# Altium PCB PCB1.PcbDoc
Units mil, origin at the board's own origin, x right, y up, seen from the top; angles counter-clockwise.
Board outline 3937.01 x 3937.01 mil, 2 copper layers (Top Layer, Bottom Layer); 50 components, 47 nets, 201 pads, 11 vias.
Unrouted connection lines stored in the file: 42.
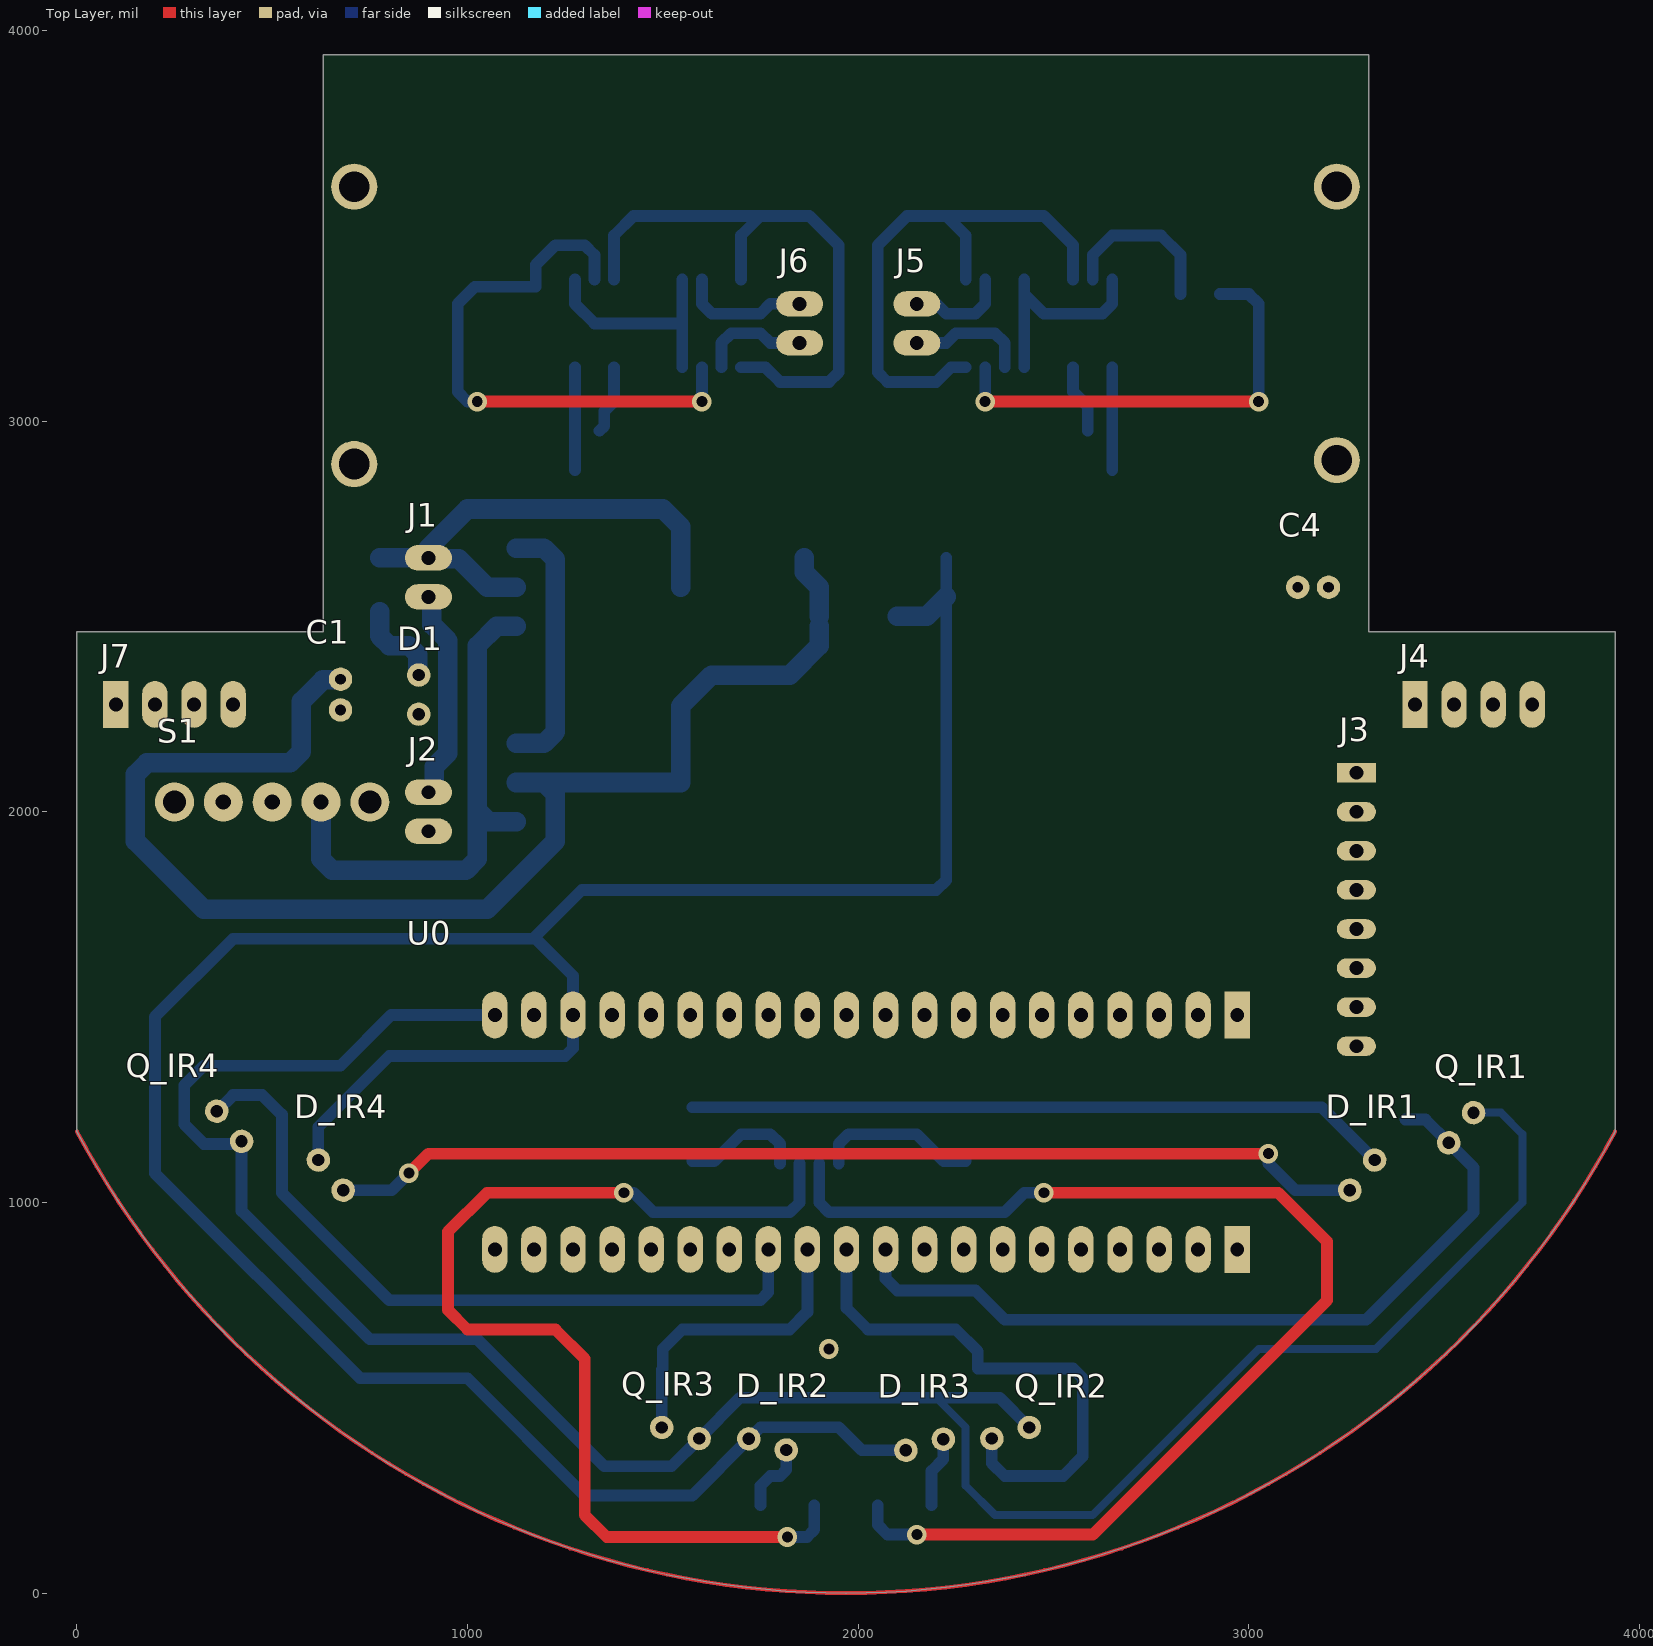
[diagram p0: Top Layer view]
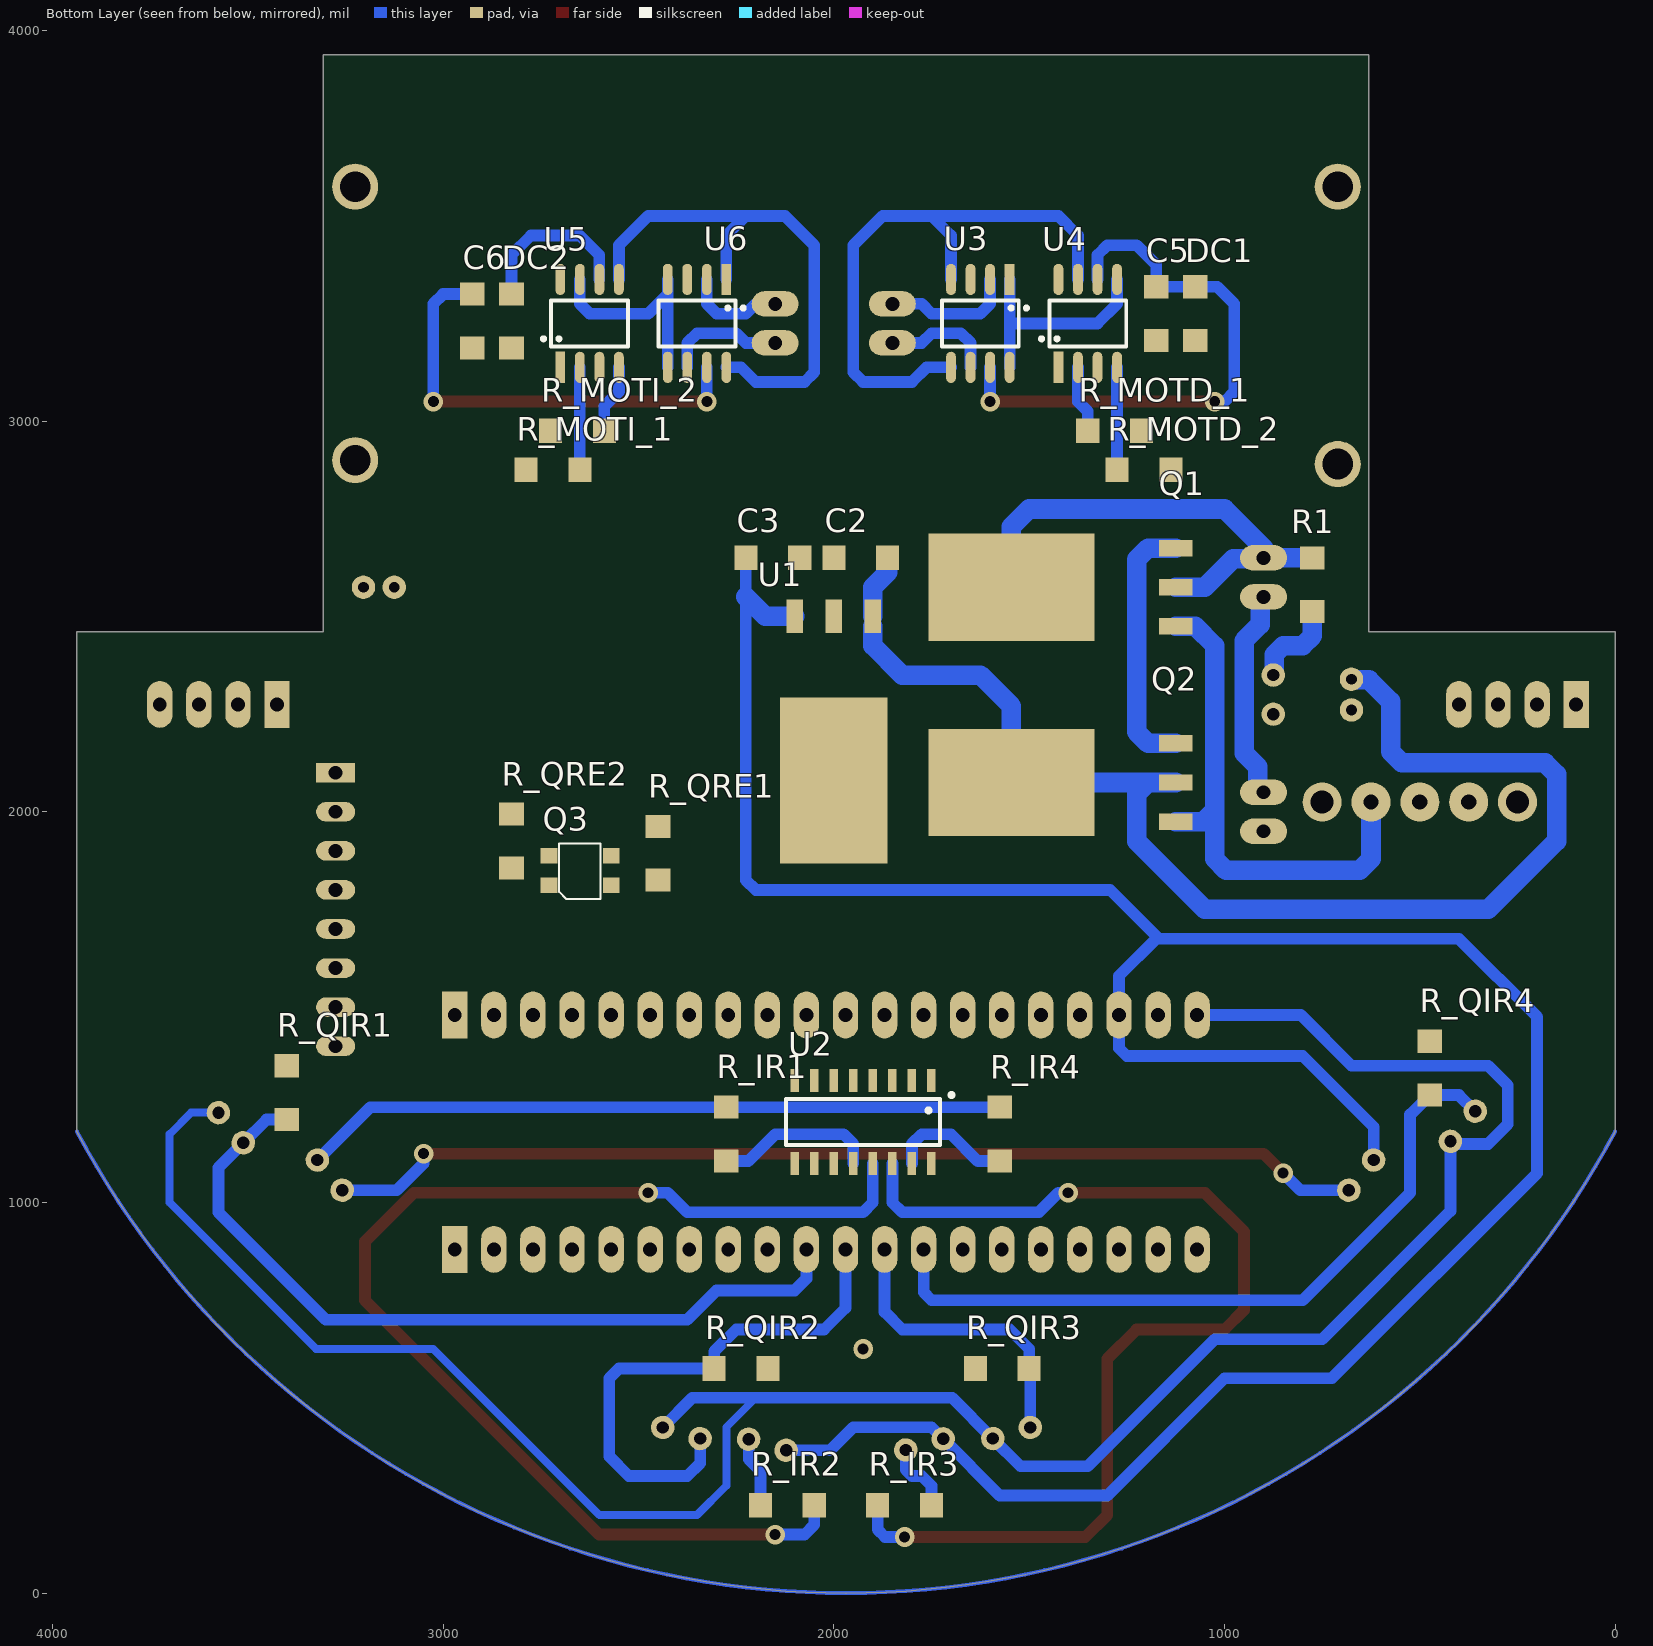
[diagram p1: Bottom Layer view, seen from below]
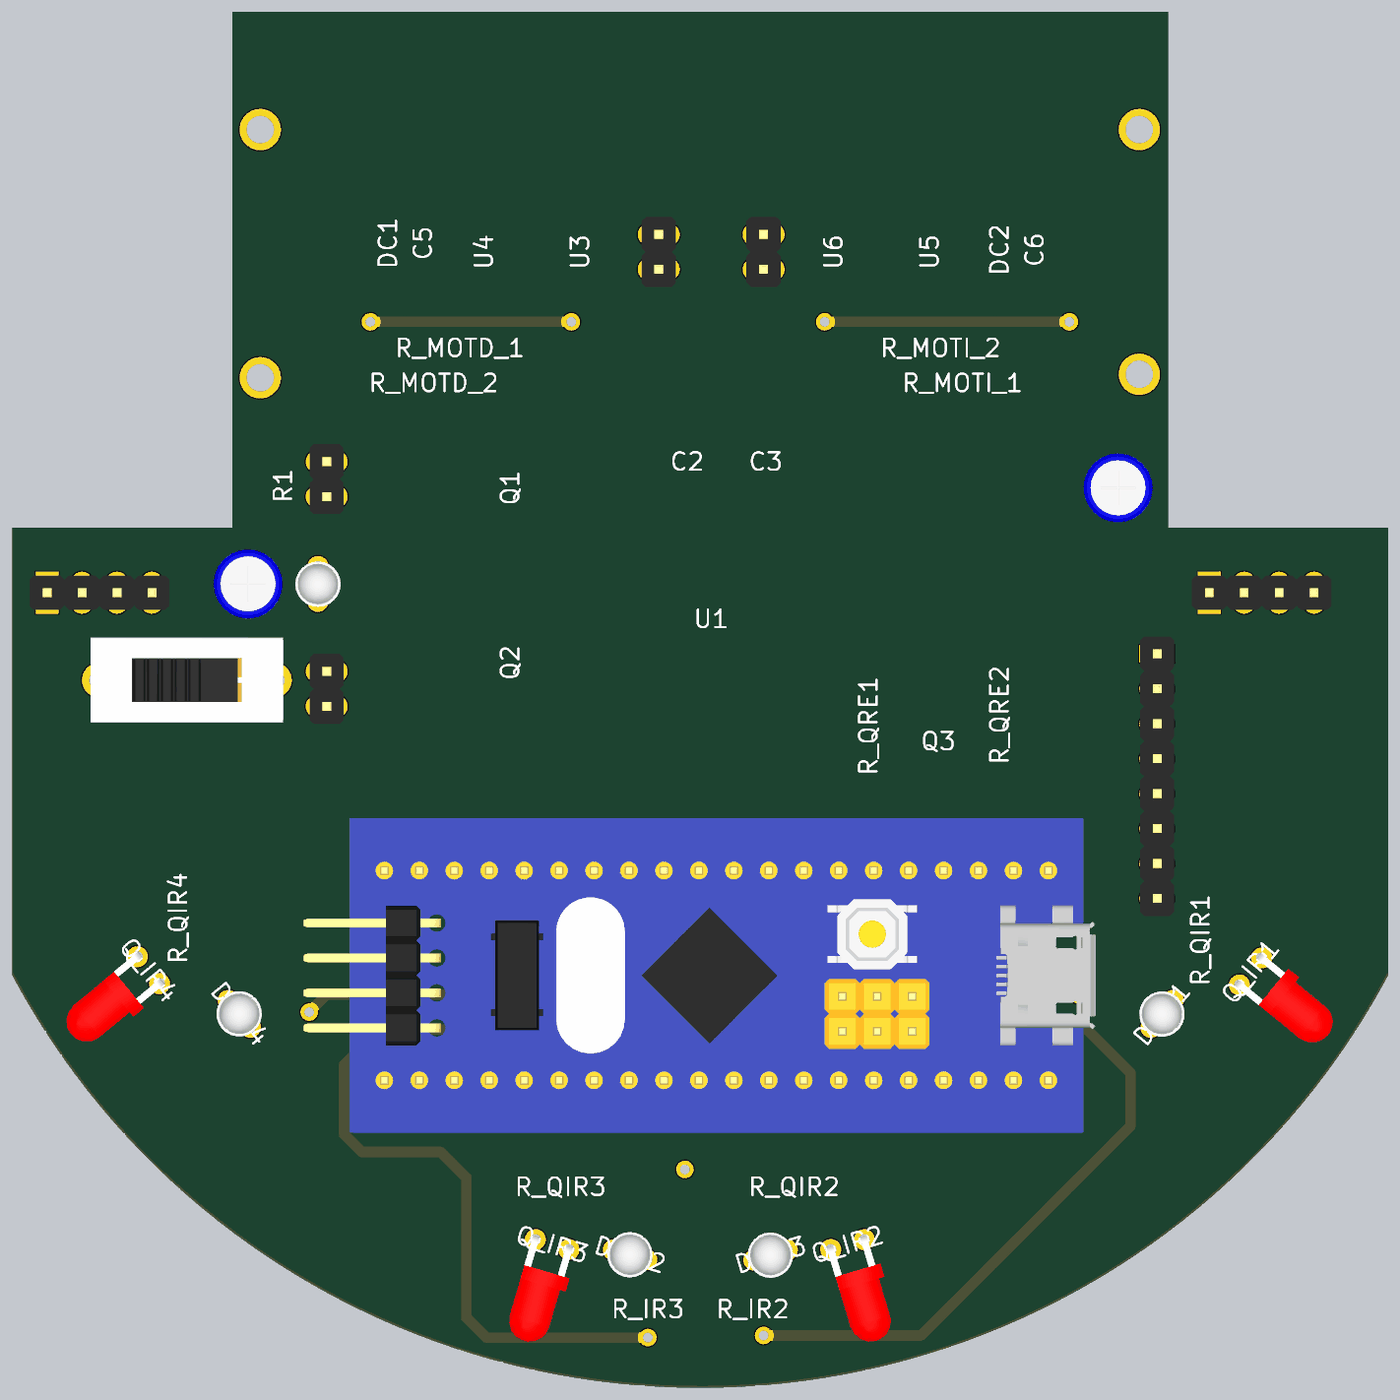
[diagram p2: 3D render of the assembled board from above, using the file's embedded part models]
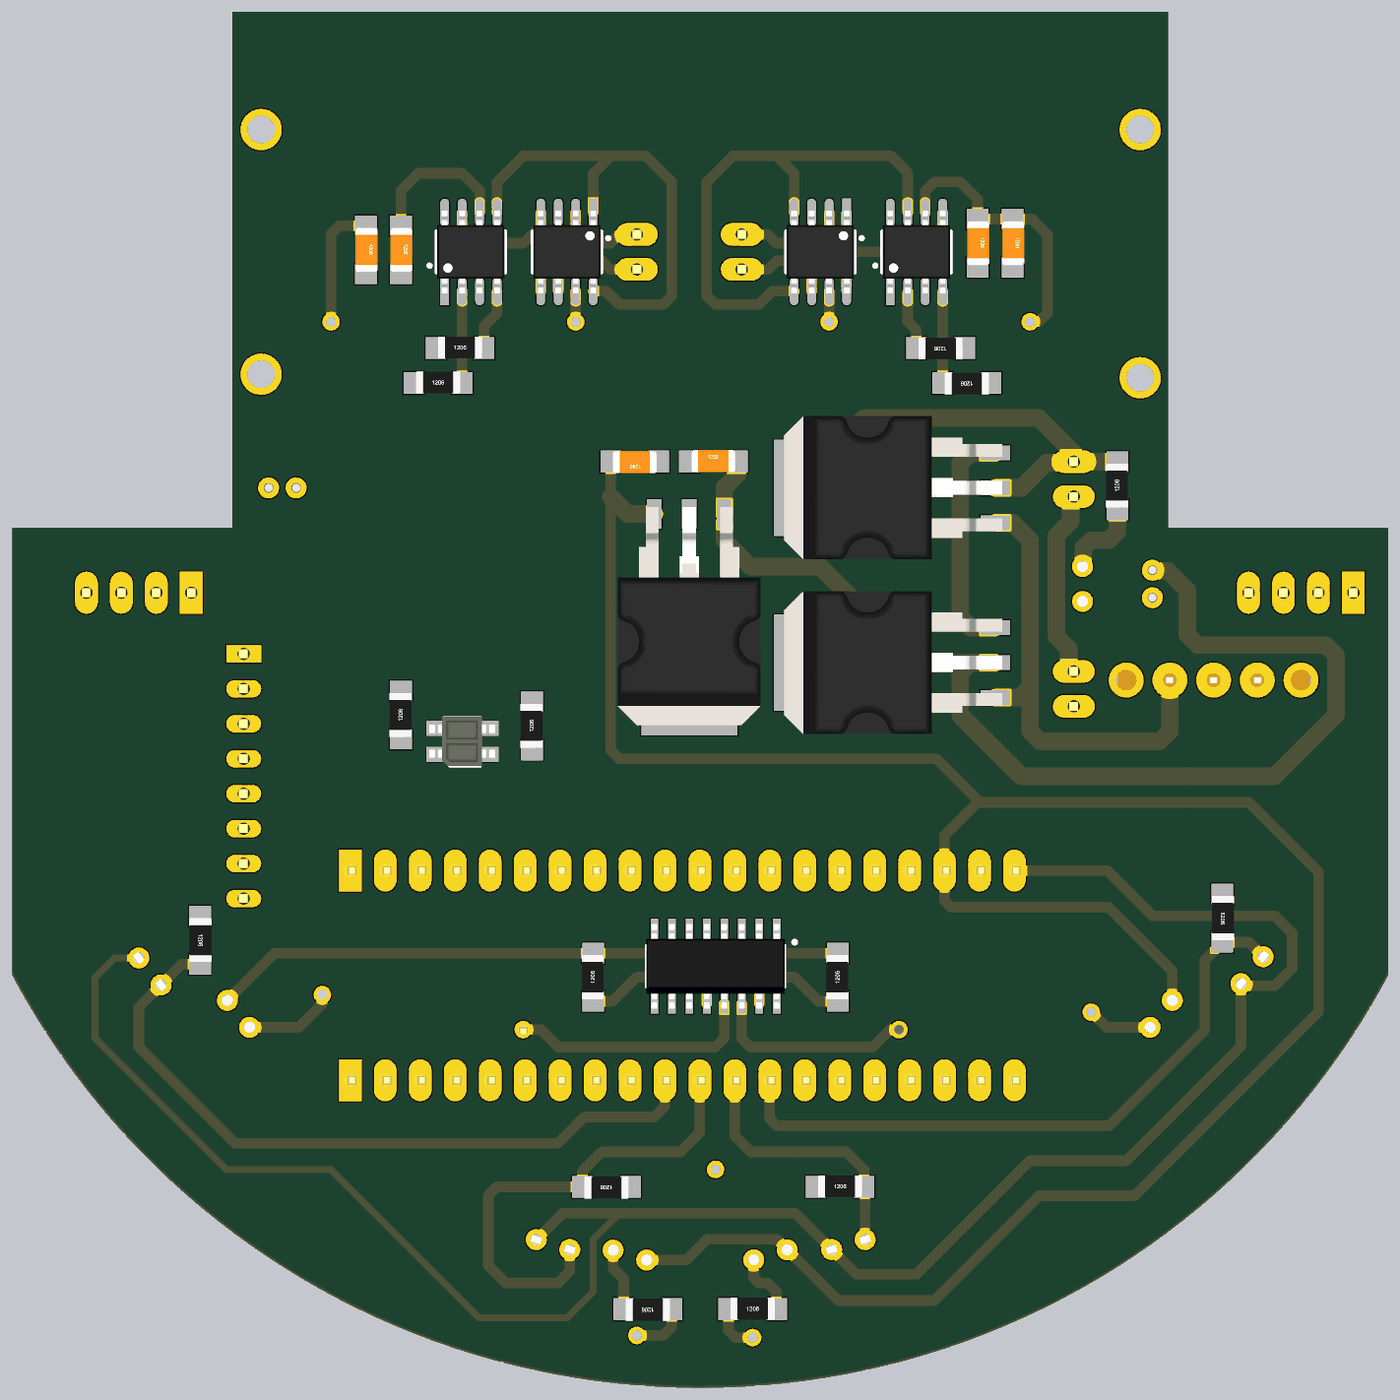
[diagram p3: 3D render of the assembled board from below, using the file's embedded part models]

## Layer stack, top to bottom
Top Solder: solder mask 0.4, Solder Resist, Dk 3.5
Top Layer: signal copper 1.4
Dielectric 1: dielectric 12.6, FR-4, Dk 4.8
Bottom Layer: signal copper 1.4
Bottom Solder: solder mask 0.4, Solder Resist, Dk 3.5

## Board outline
0.25,1181.35 0.25,2460.88 630.17,2460.88 630.17,3937.26 3307.34,3937.26 3307.34,2460.88 3937.26,2460.88 3937.26,1181.35 cw(c1968.75,2231.22)

## Design rules (kind name [scope] priority, off if disabled: settings)
Clearance [All] p1: gap=8
ComponentClearance [All] p1 off: gap=10 collisioncheckmode=3 verticalgap=10 showdistances=FALSE
HoleSize [All] p1: absolutevalues=TRUE maxlimit=196.85 minlimit=1 maxpercent=80.000 minpercent=20.000
PlaneConnect [All] p1: planeconnectstyle=Direct reliefexpansion=20 reliefentries=4 reliefconductorwidth=10 reliefairgap=10
PolygonConnect [All] p1: connectstyle=Direct reliefconductorwidth=15 reliefentries=4 polygonreliefangle="90 Angle" airgapwidth=10
RoutingVias [All] p1: holewidth=28 width=50 viastyle="Through Hole" minholewidth=28 minwidth=50 maxholewidth=28 maxwidth=50
SolderMaskExpansion [All] p1: expansion=4
Width [All] p1: maxlimit=50 minlimit=8 preferedwidth=10
27 further rules are at their usual default settings.

## Components (designator, comment, footprint, x,y, rotation, side; value= is the part's Value field where it differs from the comment)
C1 "CAP-ELEC" CAP-ELEC-5x11x2mm 675,2300 r270 top
C2 "CAP-CER" C1206 1931.1,2650 r180 bottom
C3 "CAP-CER" C1206 2156.1,2650 r0 bottom
C4 "CAP-ELEC" CAP-ELEC-5x11x2mm 3164.37,2575 r0 top
C5 "CAP-CER" C1206 1175,3275 r270 bottom
C6 "CAP-CER" C1206 2925,3256.1 r270 bottom
D1 "RED" LED-3MM-RED 875,2300 r90 top
D_IR1 "LED" LED-3MM-RED 3290,1070 r50.5 top
D_IR2 "LED" LED-3MM-RED 1767.94,380.8 r343.5 top
D_IR3 "LED" LED-3MM-RED 2170,380 r16.5 top
D_IR4 "LED" LED-3MM-RED 650,1070 r309.5 top
DC1 "CAP-CER" C1206 1075,3275 r270 bottom
DC2 "CAP-CER" C1206 2825,3256.1 r270 bottom
J1 "BAT" "HEADER 1x2" 900,2600 r0 top
J2 "BAT" "HEADER 1x2" 900,2000 r0 top
J3 "MPU" "HEADER 1X8" 3275,2100 r0 top
J4 "HC-05" "Header 1x4" 3575,2275 r90 top
J5 "MOTI" "HEADER 1x2" 2150,3250 r0 top
J6 "MOTD" "HEADER 1x2" 1850,3250 r0 top
J7 "programer" "Header 1x4" 250,2275 r90 top
Q1 "IRF5305S" TO-263 1425,2575 r90 bottom
Q2 "IRF5305S" TO-263 1425,2075 r90 bottom
Q3 "QRE1113GR" QRE1113GR 2650,1850 r180 bottom
Q_IR1 "PHOTO NPN" PHOTO-NPN 3543.2,1191.41 r230.5 top
Q_IR2 "PHOTO NPN" PHOTO-NPN 2390,410 r196.5 top
Q_IR3 "PHOTO NPN" PHOTO-NPN 1545,410 r163.5 top
Q_IR4 "PHOTO NPN" PHOTO-NPN 390,1195 r129.5 top
R1 "RES" R1206 775,2581.1 r90 bottom
R_IR1 "RES" R1206 2275,1175 r90 bottom
R_IR2 "RES" R1206 2118.9,225 r0 bottom
R_IR3 "RES" R1206 1818.9,225 r180 bottom
R_IR4 "RES" R1206 1575,1175 r90 bottom
R_MOTD_1 "RES" R1206 1281.1,2975 r0 bottom
R_MOTD_2 "RES" R1206 1206.1,2875 r0 bottom
R_MOTI_1 "RES" R1206 2718.9,2875 r180 bottom
R_MOTI_2 "RES" R1206 2656.1,2975 r180 bottom
R_QIR1 "RES" R1206 3400,1281.1 r270 bottom
R_QIR2 "RES" R1206 2237.2,575 r0 bottom
R_QIR3 "RES" R1206 1568.9,575 r180 bottom
R_QIR4 "RES" R1206 475,1343.9 r270 bottom
R_QRE1 "RES" R1206 2450,1893.9 r90 bottom
R_QRE2 "RES" R1206 2825,1925 r90 bottom
S1 "SLIDE-SWITCH" SWITCH 500,2025 r180 top
U0 "Blue Pill -stm32f103" STM32_MODULE 1970,1180 r270 top
U1 "MIC2940" TO-263 2000,2200 r0 bottom
U2 "ULN2003A" SOIC-16-NARROW 1925,1206.3 r270 bottom
U3 "ZXMHC3F381N8" SOIC-8 1625,3250 r270 bottom
U4 "MIC4427" SOIC-8 1350,3250 r90 bottom
U5 "MIC4427" SOIC-8 2625,3250 r90 bottom
U6 "ZXMHC3F381N8" SOIC-8 2350,3250 r270 bottom

## Footprints (in the part's own frame and the unit in brackets; to place one, negate y for a bottom-side part, rotate by r counter-clockwise, add the part's x,y. Pads: shape width x height; smd on the part's side, far side on the other; paste and mask are expansions set on the pad)
C1206 [mm]
  rect 1.5x1.6 smd: 1(-1.75,0) 2(1.75,0)
  body extent -1.6,-0.76 1.6,0.84, height 1.26
CAP-ELEC-5x11x2mm [mil]
  round 60 hole 27.56: 1(-39.37,0) 2(39.37,0)
  body extent -100,-99 99,99, height 454
"HEADER 1x2" [mil]
  oval 120x65 hole 35.43: 1(0,50) 2(0,-50)
  body extent -49,-100 49,100, height 336
"Header 1x4" [mil]
  rect 120x65 hole 35.43: 1(0,150)
  oval 120x65 hole 35.43: 2(0,50) 3(0,-50) 4(0,-150)
  body extent -49,-200 49,200, height 336
"HEADER 1X8" [mm]
  rect 2.54x1.27 hole 0.9: 1(0,0)
  oval 2.54x1.27 hole 0.9: 2(0,-2.54) 3(0,-5.08) 4(0,-7.62) 5(0,-10.16) 6(0,-12.7) 7(0,-15.24) 8(0,-17.78)
  body extent -1.22,-19.05 1.27,1.27, height 8.54
LED-3MM-RED [mil]
  round 60 hole 31.5: A(-50,0) K(50,0)
  body extent -66,-65 64,65, height 217
PHOTO-NPN [mil]
  round 60 hole 31.5: C(-50,0) E(50,0)
  body extent -76,-10 65,287, height 155
QRE1113GR [mm]
  rect 1.1x1 smd: A(-2.01,-0.97) C(2.04,0.94) E(-2.01,0.94) K(2.04,-0.97)
  silkscreen extent -1.35,-1.85 1.35,1.75, body extent -2.4,-1.8 2.4,1.8, height 1.83
R1206 [mm]
  rect 1.5x1.6 smd: 1(-1.75,0) 2(1.75,0)
  body extent -1.6,-0.76 1.6,0.84, height 0.68
SOIC-8 [mil]
  rect 80x25 smd: 1(-112.5,75)
  oval 80x25 smd: 2(-112.5,25) 3(-112.5,-25) 4(-112.5,-75) 5(112.5,-75) 6(112.5,-25) 7(112.5,25) 8(112.5,75)
  silkscreen extent -59,-98 59,122, body extent -118,-96 118,96, height 69
SOIC-16-NARROW [mm]
  rect 1.5x0.55 smd: 1(-2.7,4.445) 2(-2.7,3.175) 3(-2.7,1.905) 4(-2.7,0.635) 5(-2.7,-0.635) 6(-2.7,-1.905) 7(-2.7,-3.175) 8(-2.7,-4.445) 9(2.7,-4.445) 10(2.7,-3.175) 11(2.7,-1.905) 12(2.7,-0.635) 13(2.7,0.635) 14(2.7,1.905) 15(2.7,3.175) 16(2.7,4.445)
  silkscreen extent -2,-5 1.5,6, body extent -3.08,-5.04 3.08,5.04, height 2
STM32_MODULE [mil]
  rect 120x65 hole 35.43: 0(-300,1000) 39(300,1000)
  oval 120x65 hole 35.43: 1(-300,900) 2(-300,800) 3(-300,700) 4(-300,600) 5(-300,500) 6(-300,400) 7(-300,300) 8(-300,200) 9(-300,100) 10(-300,0) 11(-300,-100) 12(-300,-200) 13(-300,-300) 14(-300,-400) 15(-300,-500) 16(-300,-600) 17(-300,-700) 18(-300,-800) 19(-300,-900) 20(300,-900) 21(300,-800) 22(300,-700) 23(300,-600) 24(300,-500) 25(300,-400) 26(300,-300) 27(300,-200) 28(300,-100) 29(300,0) 30(300,100) 31(300,200) 32(300,300) 33(300,400) 34(300,500) 35(300,600) 36(300,700) 37(300,800) 38(300,900)
  silkscreen extent -200,700 -200,700, body extent -450,-1136 450,1130, height 638
SWITCH [mm]
  round 2.54 hole 1: 1(-3.175,0) 2(0,0) 3(3.175,0)
  round 2.54 hole 1.5: 4(-6.35,0) 4(6.35,0)
  body extent -7,-3.1 7,3.1, height 9.65
TO-263 [mil]
  rect 42x85 smd: 1(-100,-300.25) 2(0,-300.25) 3(100,-300.25)
  rect 275x425 smd: 2(0,120.25)
  body extent -204,-320 205,304, height 181

## Part data
D1: library part LED
J1 J2 J5 J6: library part "Header 1x2"
J3: library part "Header 1x8"
J4 J7: library part "Header 1x4"
Q1 Q2: library part P-MOSFET
U0: library part "STM32F103 - Blue Pill"
U1: library part LM2940
U4 U5: library part 4427

## Free pads (board coordinates)
  round 118.11 hole 78.74: 4(3225,3600) 5(3225,2900) 6(710,2890) 7(710,3600)

## Via types
v1: diameter 50, hole 28, Top Layer to Bottom Layer, 11 vias

## Nets (pads, with @x,y where several pads share a name; then routed paths per layer and width w, separated by ;. In a path a pad name is that pad's centre, name@x,y a point inside that pad or via, vN(x,y) a via of type N, cw(c..) or ccw(c..) an arc to the next point about the centre after c; other vN are vias at no path point)
3.3V: J3.1 J4.1 J7.1 Q_IR1.C Q_IR2.C Q_IR3.C Q_IR4.C R_QRE1.2 U0.19 U0.37 | length 6074.8
  Bottom Layer w20: 2200,500 2275,425 2275,275 2350,200 2600,200 3025,625 3325,625 3700,1000 3700,1175 3645,1230 Q_IR1.C
  Bottom Layer w30: U0.19 805,1480 675,1350 325,1350 275,1300 275,1200 325,1150 415.39,1150 Q_IR4.C 421.81,978.19 750,650 1025,650 1350,325 1522.14,325 Q_IR3.C 1697.14,500 2200,500 2362.15,500 Q_IR2.C
5V: C3.2 C4.1 D_IR2.A D_IR3.A D_IR4.A U0.17 U1.3 | length 7047.7
  Bottom Layer w30: D_IR4.A 618.19,1193.19 800,1375 1250,1375 1270,1395 U0.17 1270,1580 1175,1675 ; D_IR3.A 2009.2,365.8 1950,425 1750,425 D_IR2.A 1575,250 1300,250 1000,550 725,550 200,1075 200,1475 400,1675 1175,1675 ; C3.2 2225,2550 2225,1825 2200,1800 1293.06,1800 1171.53,1678.47 1175,1675
  Bottom Layer w50: U1.3 2175.25,2500.25 2225,2550
BT_RX: J4.4
BT_TX: J4.3
GND: C1.2 C2.1 C3.1 C4.2 C5.2 C6.2 D1.A DC1.2 DC2.2 J2.2 J3.2 J4.2 J7.2 Q3.E Q3.K R_MOTD_1.1 R_MOTD_2.1 R_MOTI_1.1 R_MOTI_2.1 R_QIR1.1 R_QIR2.1 R_QIR3.1 R_QIR4.1 S1.2 U0.18 U0.38 U0.39 U1.2 U2.8 U3.3 U4.3 U5.3 U6.3
  other v1: 1925,625
IR_QX1: Q_IR1.E R_QIR1.2 U0.30 | length 2077.6
  Bottom Layer w30: U0.30 2070,805 2100,775 2300,775 2375,700 3300,700 3575,975 3575,1089.23 Q_IR1.E 3452.02,1212.2 R_QIR1.2
IR_QX2: Q_IR2.E R_QIR2.2 U0.29 | length 1385.4
  Bottom Layer w30: U0.29 1970,730 2025,675 2250,675 2306.1,618.9 R_QIR2.2 2550,575 2575,550 2575,350 2525,300 2375,300 2342.06,332.94 Q_IR2.E
IR_QX3: Q_IR3.E R_QIR3.2 U0.28 | length 771.4
  Bottom Layer w30: Q_IR3.E 1497.06,572.06 R_QIR3.2 1500,625 1550,675 1825,675 1870,720 U0.28
IR_QX4: Q_IR4.E R_QIR4.2 U0.27 | length 1881.9
  Bottom Layer w30: Q_IR4.E 358.58,1233.58 400,1275 R_QIR4.2 525,1225 525,1025 800,750 1750,750 1770,770 U0.27
MOTDD: R_MOTD_2.2 U4.4 | length 262.5
  Bottom Layer w30: R_MOTD_2.2 U4.4
MOTDP: R_MOTD_1.2 U4.2 | length 177.9
  Bottom Layer w30: R_MOTD_1.2@1337.8,2975 1350,2987.2 1350,3025 1375,3050 U4.2
MOTID: R_MOTI_1.2 U5.2 | length 262.5
  Bottom Layer w30: R_MOTI_1.2 U5.2
MOTIP: R_MOTI_2.2 U5.4 | length 177.9
  Bottom Layer w30: U5.4 2550,3075 2587.2,3037.8 R_MOTI_2.2
MPU_INT: J3.8
NetD1_K: D1.K R1.1 | length 232.9
  Bottom Layer w50: R1.1 775,2450 800,2425 850,2425 873.09,2401.91 873.09,2351.91 D1.K
NetD_IR1_A: D_IR1.A D_IR4.K | length 2668.6
  Top Layer w30: v1(850,1075) 900,1125 v1(3050,1125)
  Bottom Layer w30: D_IR4.K 806.42,1031.42 v1(850,1075) ; v1(3050,1125) 3050,1100 3118.59,1031.41 D_IR1.A
NetD_IR1_K: D_IR1.K R_IR1.2 R_IR4.2 | length 1802.9
  Bottom Layer w30: R_IR4.2 R_IR1.2 3186.49,1243.9 D_IR1.K
NetD_IR2_K: D_IR2.K R_IR3.2 | length 183.5
  Bottom Layer w30: R_IR3.2 1750,275 1775,300 1800,300 1815.89,315.89 D_IR2.K
NetD_IR3_K: D_IR3.K R_IR2.2 | length 181.7
  Bottom Layer w30: R_IR2.2 2187.8,312.8 2217.94,342.94 D_IR3.K
NetJ1_1: J1.1 Q1.2 R1.2 | length 1266
  Bottom Layer w50: R1.2 J1.1 ; Q1.2@1124.75,2575 1050,2575 977.87,2647.13 902.87,2647.13 J1.1 ; Q1.2@1545.25,2575 1545.25,2729.75 1500,2775 1000,2775 900,2675 J1.1
NetJ1_2: J1.2 J2.1 | length 547.1
  Bottom Layer w50: J2.1 907.83,2050 914.76,2056.93 914.76,2114.76 950,2150 950,2438.11 908.82,2479.29 908.82,2543.07 901.89,2550 J1.2
NetJ5_1: J5.1 U6.2 | length 258.2
  Bottom Layer w30: J5.1 2200,3300 2225,3275 2300,3275 2325,3300 U6.2
NetJ5_2: J5.2 U6.6 | length 308.2
  Bottom Layer w30: J5.2 2225,3200 2250,3225 2350,3225 2375,3200 U6.6
NetJ6_1: J6.1 U3.2 | length 333.2
  Bottom Layer w30: U3.2 1600,3300 1625,3275 1750,3275 1775,3300 J6.1
NetJ6_2: J6.2 U3.6 | length 283.2
  Bottom Layer w30: U3.6 1650,3200 1675,3225 1750,3225 1775,3200 J6.2
NetQ1_G: Q1.1 Q2.1 S1.1 | length 1348
  Bottom Layer w50: S1.1 625,1879.29 654.29,1850 995.71,1850 1025,1879.29 1025,2004.29 ; Q2.1 1054.29,1975 1025,2004.29 ; Q1.1 1075,2475 1025,2425 1025,2004.29
NetQ1_S: Q1.3 Q2.3 | length 666.2
  Bottom Layer w50: Q2.3 1195.71,2175 1225,2204.29 1225,2645.71 1195.71,2675 Q1.3
NetQ3_A: Q3.A R_QRE1.1
NetQ3_C: Q3.C R_QRE2.2
NetR_IR1_1: R_IR1.1 U2.12 | length 413.9
  Bottom Layer w30: U2.12 1950,1150 1975,1175 2150,1175 2218.9,1106.1 R_IR1.1
NetR_IR2_1: R_IR2.1 U2.13 | length 3091.7
  Top Layer w30: v1(2150,150) 2600,150 3200,750 3200,900 3075,1025 v1(2475,1025)
  Bottom Layer w30: U2.13 1900,1000 1925,975 2375,975 2425,1025 v1(2475,1025) ; R_IR2.1 2050,175 2075,150 v1(2150,150)
NetR_IR3_1: R_IR3.1 U2.14 | length 2755.3
  Top Layer w30: v1(1400,1025) 1050,1025 950,925 950,725 1000,675 1225,675 1300,600 1300,200 1356.1,143.9 v1(1818.9,143.9)
  Bottom Layer w30: v1(1400,1025) 1425,1025 1475,975 1825,975 1850,1000 U2.14 ; v1(1818.9,143.9) 1868.9,143.9 1887.8,162.8 R_IR3.1
NetR_IR4_1: R_IR4.1 U2.15 | length 313.9
  Bottom Layer w30: R_IR4.1 1631.1,1106.1 1700,1175 1775,1175 1800,1150 U2.15
NetU3_1: U3.1 U3.8 U4.5 | length 583.2
  Bottom Layer w30: U4.5 1275,3300 1325,3250 1550,3250 ; U3.8 1550,3250 ; U3.1 1550,3250
NetU3_4: U3.4 U3.5 U4.7 | length 1523.4
  Bottom Layer w30: U4.7 1375,3475 1425,3525 1750,3525 ; U3.5 1762.5,3137.5 1800,3100 1925,3100 1950,3125 1950,3450 1875,3525 1750,3525 ; U3.4 1700,3475 1750,3525
NetU5_5: U5.5 U6.1 U6.8 | length 1408.7
  Bottom Layer w30: U6.8 2237.5,3137.5 2200,3100 2075,3100 2050,3125 2050,3450 2125,3525 2225,3525 ; U6.1 2275,3475 2225,3525 ; U5.5 2550,3450 2475,3525 2225,3525
NetU5_7: U5.7 U6.4 U6.5 | length 543.6
  Bottom Layer w30: U6.5 U6.4@2425,3325 ; U6.4 U6.4@2425,3325 ; U5.7 2650,3300 2625,3275 2475,3275 U6.4@2425,3325
PISO: R_QRE2.1
PROG_RX: J7.4
PROG_TX: J7.3
SCL: J3.3
SDA: J3.4
TX_2: U2.3
TX_3: U2.4
TX_side_full: U2.2
TX_side_half: U2.1
VBAT: C1.1 C2.2 C5.1 C6.1 DC1.1 DC2.1 Q2.2 U1.1 U3.7 U4.6 U5.6 U6.7 | length 6546.5
  Top Layer w30: v1(1025,3050) v1(1600,3050) ; v1(2325,3050) v1(3025,3050)
  Bottom Layer w30: v1(1025,3050) 1000,3050 975,3075 975,3300 1018.9,3343.9 DC1.1 C5.1 1175,3400 1225,3450 1300,3450 1325,3425 U4.6 ; v1(1600,3050) U3.7 ; v1(2325,3050) U6.7 ; U5.6 2600,3425 2650,3475 2775,3475 2825,3425 DC2.1 ; C6.1 3000,3325 3025,3300 v1(3025,3050)
  Bottom Layer w50: C1.1 673.09,2337.46 630.16,2337.46 575,2282.3 575,2154.29 545.71,2125 179.29,2125 150,2095.71 150,1925 325,1750 1050,1750 1225,1925 1225,2045.71 1195.71,2075 ; Q2.2@1124.75,2075 1195.71,2075 ; C2.2 1862.2,2612.8 1900,2575 U1.1 ; U1.1@1900,2475.25 1900,2425 1825,2350 1625,2350 1545.25,2270.25 1545.25,2075 1195.71,2075
pads on no net: J3.5 J3.6 J3.7 S1.3 S1.4 U0.0 U0.1 U0.2 U0.3 U0.4 U0.5 U0.6 U0.7 U0.8 U0.9 U0.10 U0.11 U0.12 U0.13 U0.14 U0.15 U0.16 U0.20 U0.21 U0.22 U0.23 U0.24 U0.25 U0.26 U0.31 U0.32 U0.33 U0.34 U0.35 U0.36 U2.5 U2.6 U2.7 U2.9 U2.10 U2.11 U2.16 U4.1 U4.8 U5.1 U5.8

## Other copper
Multi-Layer:
  lines w10: 0.25,1181.35 ccw(c1968.75,2231.22) 3937.26,1181.35

## Silkscreen, mask and mechanical layers (free items; w line width, h text height)
guides:
  circle w10: c713.83,3601.63 r43.31
  circle w10: c713.83,2894.93 r43.31
  circle w10: c3223.68,3601.63 r43.31
  circle w10: c3223.68,2894.93 r43.31
  lines w10: 0.25,1181.35 0.25,2460.88 630.17,2460.88 630.17,3937.26 3307.34,3937.26 3307.34,2460.88 3937.26,2460.88 3937.26,1181.35 ; 508.65,1038.32 ccw(c533.43,1007.72) 502.83,982.95 510.51,973.46 477.53,946.75 515.22,967.65 486.95,935.12 519.93,961.83 527.61,952.35 ccw(c558.21,977.13) 582.98,946.53 ; 630.17,2811.27 797.49,2811.27 797.49,2978.6 ; 661.63,1162.2 735.96,1070.41 ; 787.65,2978.6 1102.61,2978.6 1102.61,3012.06 1575.05,3012.06 1575.05,3484.5 1102.61,3484.5 1102.61,3517.97 787.65,3517.97 ; 797.49,3517.97 797.49,3685.29 ; 1672.4,274.95 ccw(c1710.15,263.77) 1698.97,226.02 1710.67,222.56 1698.62,181.86 1717.85,220.43 1712.97,177.61 1725.02,218.31 1736.72,214.84 ccw(c1747.9,252.59) 1785.65,241.41 ; 1728.31,463.7 1841.56,430.15 ; 2095.95,430.15 2209.2,463.7 ; 2151.86,241.41 ccw(c2189.61,252.59) 2200.79,214.84 2212.49,218.31 2224.54,177.61 2219.66,220.43 2238.89,181.86 2226.84,222.56 2238.54,226.02 ccw(c2227.35,263.77) 2265.1,274.95 ; 3140.01,2978.6 3140.01,2811.27 3307.34,2811.27 ; 3140.01,3517.97 3140.01,3685.29 3307.34,3685.29 ; 3149.86,2978.6 2834.9,2978.6 2834.9,3012.06 2362.45,3012.06 2362.45,3484.5 2834.9,3484.5 2834.9,3517.97 3149.86,3517.97 ; 3201.54,1070.41 3275.87,1162.2 ; 3354.53,946.53 ccw(c3379.3,977.13) 3409.9,952.35 3417.58,961.83 3450.56,935.12 3422.29,967.65 3459.98,946.75 3427,973.46 3434.68,982.95 ccw(c3404.08,1007.72) 3428.86,1038.32 ; 3453.39,1137.61 3579.92,1288.4 ; 3634.35,985.77 ccw(c3684.96,1046.09) 3732.11,983.03 3771.79,931.93 3757.93,1010.55 3837.77,1010.55 3780.56,1040.76 ccw(c3710.26,1076.25) 3760.88,1136.57 ; 797.49,3685.29 630.17,3685.29 797.49,3685.29 ; 99.74,1010.55 179.58,1010.55 165.71,931.93 205.4,983.03 ccw(c252.55,1046.09) 303.16,985.77 484.12,1137.61 357.58,1288.4 176.63,1136.57 ccw(c227.24,1076.25) 156.95,1040.76 99.74,1010.55 ; 925.45,756.1 925.45,1622.24 3012.06,1622.24 3012.06,756.1 925.45,756.1 ; 968.75,1740.35 968.75,2252.16 2968.75,2252.16 2968.75,1740.35 968.75,1740.35 ; 968.75,2330.9 968.75,2842.71 2968.75,2842.71 2968.75,2330.9 968.75,2330.9 ; 1396.8,242.85 ccw(c1472.39,220.82) 1433.66,152.26 1402.87,95.36 1469.26,139.72 1501.41,66.64 1506.02,131.17 ccw(c1510.19,209.8) 1585.78,187.77 1651.89,414.55 1462.9,469.64 1396.8,242.85 ; 2285.62,414.55 2474.61,469.64 2540.71,242.85 cw(c2465.12,220.82) 2503.85,152.26 2534.64,95.36 2468.25,139.72 2436.1,66.64 2431.49,131.17 cw(c2427.32,209.8) 2351.72,187.77 2285.62,414.55